# Altium PCB Layout.PcbDoc (part 2 of 4) (continued)
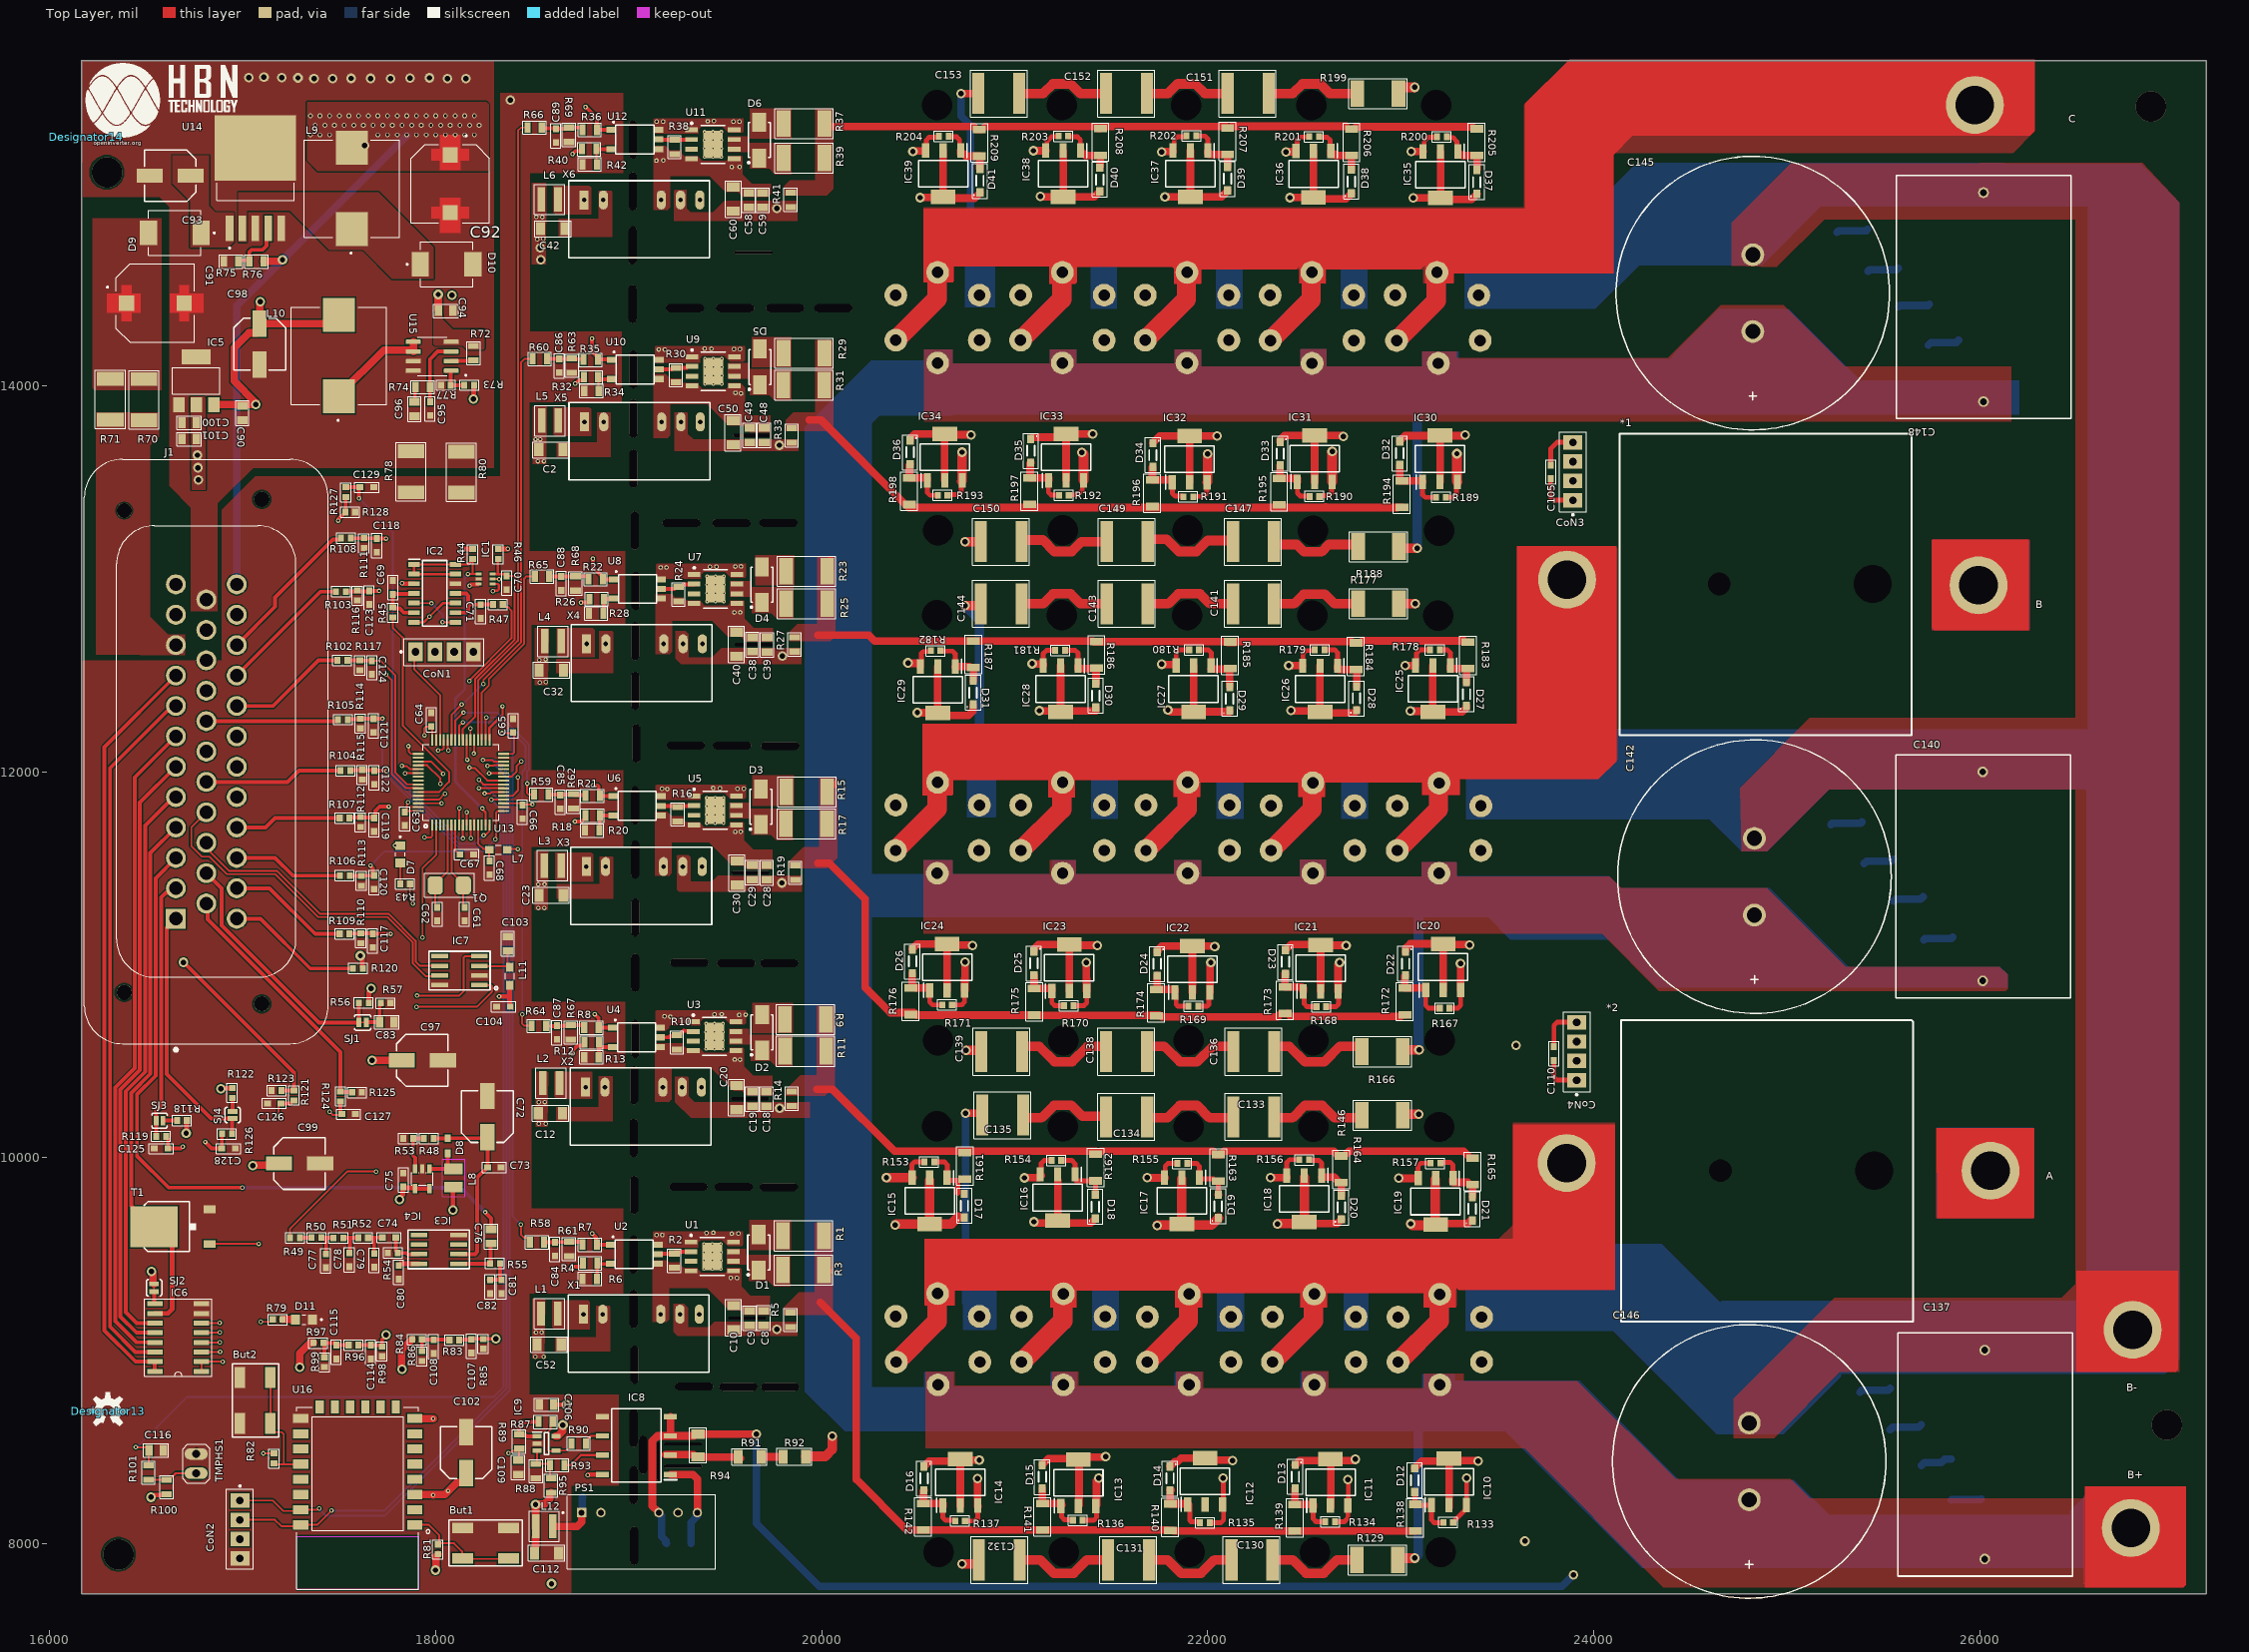
[diagram p0: Top Layer view]
## Nets (pads, with @x,y where several pads share a name; then routed paths per layer and width w, separated by ;. In a path a pad name is that pad's centre, name@x,y a point inside that pad or via, vN(x,y) a via of type N, cw(c..) or ccw(c..) an arc to the next point about the centre after c; other vN are vias at no path point) (continued)
  Mid 1 w100: Q6.3@20385.87,8941.93 20596.69,9152.76 20596.69,9293.51 Q7.2@20600.16,9296.98 ; Q5.3@21035.22,8941.93 21248.29,9155 21248.29,9292.21 Q8.2@21251.76,9295.68 ; Q4.3@21686.68,8941.93 21899.75,9155 21899.75,9290.91 Q9.2@21903.21,9294.38 ; Q3.3@22334.73,8941.93 22547.8,9155 22547.8,9290.91 Q10.2@22551.26,9294.38 ; Q2.3@22985.57,8941.93 23198.64,9155 23198.64,9289.62 Q11.2@23202.11,9293.08
  Mid 2 w50: v1(23093.14,10225.79) 22903.53,10036.18 22903.53,9591.66 Q11.2@23202.11,9293.08
  Mid 2 w100: Q6.3@20385.87,8941.93 20596.69,9152.76 20596.69,9293.51 Q7.2@20600.16,9296.98 ; Q5.3@21035.22,8941.93 21248.29,9155 21248.29,9292.21 Q8.2@21251.76,9295.68 ; Q4.3@21686.68,8941.93 21899.75,9155 21899.75,9290.91 Q9.2@21903.21,9294.38 ; Q3.3@22334.73,8941.93 22547.8,9155 22547.8,9290.91 Q10.2@22551.26,9294.38 ; Q2.3@22985.57,8941.93 23198.64,9155 23198.64,9289.62 Q11.2@23202.11,9293.08
  Bottom Layer w100: Q6.3@20385.87,8941.93 20596.69,9152.76 20596.69,9293.51 Q7.2@20600.16,9296.98 ; Q5.3@21035.22,8941.93 21248.29,9155 21248.29,9292.21 Q8.2@21251.76,9295.68 ; Q4.3@21686.68,8941.93 21899.75,9155 21899.75,9290.91 Q9.2@21903.21,9294.38 ; Q3.3@22334.73,8941.93 22547.8,9155 22547.8,9290.91 Q10.2@22551.26,9294.38 ; Q2.3@22985.57,8941.93 23198.64,9155 23198.64,9289.62 Q11.2@23202.11,9293.08
B: C21.1 C24.2 C28.1 C29.1 C30.2 C139.1 IC20.3 IC21.3 IC22.3 IC23.3 IC24.3 pad.7@23861.02,12996.06 pad.7@25993.11,12966.54 Q12.3 Q13.3 Q14.3 Q15.3 Q16.3 Q17.2 Q18.2 Q19.2 Q20.2 Q21.2 R19.1 R167.2 R168.2 R169.2 R170.2 R171.2 R177.2 X3.6 | length 19559.8
  Top Layer w25: R171.2@20675.13,10792.42 20725.27,10792.42 20739.92,10807.06 IC24.3@20739.92,10867.73 ; R170.2@21305.33,10788.94 21358.33,10788.94 21372.98,10803.59 IC23.3@21372.98,10864.6 ; R169.2@21951.08,10786 21996.23,10786 22004.68,10794.44 22004.68,10851.79 IC22.3@22010.88,10857.99 ; R168.2@22613.66,10782.52 22662.96,10782.52 22677.6,10797.17 22677.6,10860.82 IC21.3@22675.32,10863.1 ; R167.2@23252.39,10774.8 23295.2,10774.81 23309.84,10789.45 IC20.3@23309.84,10868.77 IC20.3@23309.49,10869.13
  Top Layer w39.37: IC24.3@20739.92,10867.73 20740.9,10868.71 20740.9,10930.38 20741.61,10931.08 v1(20741.61,11015.14) ; v1(21370.84,11012.49) 21370.84,10928.44 21371.99,10927.28 21371.99,10865.58 IC23.3@21372.98,10864.6 ; IC22.3@22010.88,10857.99 22010.88,11003.94 22015.85,11008.91 v1(22015.85,11011.79) ; IC21.3@22675.32,10863.1 22675.32,11000.94 22682.85,11008.47 v1(22682.85,11011.34) ; v1(23309.13,11007.39) 23309.49,11007.03 IC20.3@23309.49,10869.13
  Top Layer w50: v1(20746.51,10556.34) 20820.13,10556.34 C139.1@20826.04,10550.43 ; R177.2@22990.93,12870.91 v1(23074.8,12870.91)
  Top Layer w100: Q16.3@20381.85,11592.85 20596.69,11807.69 20596.69,11942.32 Q21.2@20600.16,11945.79 Q21.2@20603.62,11949.25 ; Q15.3@21031.21,11592.85 21244.28,11805.92 21244.28,11942.32 Q20.2@21247.74,11945.79 ; Q14.3@21679.75,11592.85 21892.82,11805.92 21892.82,11942.32 Q19.2@21896.28,11945.79 ; Q13.3@22327.8,11592.85 22540.87,11805.92 22540.87,11939.71 Q18.2@22544.33,11943.17 ; Q12.3@22981.56,11592.85 23194.63,11805.92 23194.63,11938.41 Q17.2@23198.1,11941.87
  Mid 1 w39.37: v1@20722.17,11017.17 20739.57,11017.17 v1(20741.61,11015.14) v1@20742.93,11013.82 ; v1@21366.31,11014.91 v1@21367.37,11015.96 ; v1@21369.52,11013.82 v1(21370.84,11012.49) ; v1@22013.82,11013.82 v1(22015.85,11011.79) ; v1@23302.3,11011.34 23306.25,11007.39 v1(23309.13,11007.39)
  Mid 1 w50: Q16.3@20381.85,11592.85 20381.85,11582.64 20266.73,11467.52 20266.73,11236.22 20746.51,10756.44 v1(20746.51,10556.34)
  Mid 1 w90: v1(19793.79,11424.45) 19962.7,11593.35 Q16.3@20381.35,11593.35 ; Q16.3@20381.85,11582.64 20381.85,11357.5 v1@20722.17,11017.17 ; v1@20742.93,11013.82 v1@21369.52,11013.82 ; Q15.3@21031.21,11592.85 21031.21,11350.01 v1@21366.31,11014.91 ; v1@21372.17,11013.82 21962.18,11013.82 ; Q14.3@21679.75,11592.85 21679.75,11296.25 21962.18,11013.82 ; v1@22013.82,11013.82 21962.18,11013.82 ; v1(22015.85,11011.79) 22649.43,11011.79 ; Q13.3@22327.8,11592.85 22327.8,11342.62 22658.05,11012.36 22681.83,11012.36 v1(22682.85,11011.34) v1@23302.3,11011.34 ; Q12.3@22981.56,11592.85 22981.56,11334.96 v1@23307.1,11009.42
  Mid 1 w100: Q16.3@20381.85,11592.85 20596.69,11807.69 20596.69,11942.32 Q21.2@20600.16,11945.79 ; Q15.3@21031.21,11592.85 21244.28,11805.92 21244.28,11942.32 Q20.2@21247.74,11945.79 ; Q14.3@21679.75,11592.85 21892.82,11805.92 21892.82,11942.32 Q19.2@21896.28,11945.79 ; Q13.3@22327.8,11592.85 22540.87,11805.92 22540.87,11939.71 Q18.2@22544.33,11943.17 ; Q12.3@22981.56,11592.85 23194.63,11805.92 23194.63,11938.41 Q17.2@23198.1,11941.87
  Mid 2 w50: v1(23074.8,12870.91) 22967.55,12763.66 22967.55,12172.42 Q17.2@23198.1,11941.87
  Mid 2 w100: Q16.3@20381.85,11592.85 20596.69,11807.69 20596.69,11942.32 Q21.2@20600.16,11945.79 ; Q15.3@21031.21,11592.85 21244.28,11805.92 21244.28,11942.32 Q20.2@21247.74,11945.79 ; Q14.3@21679.75,11592.85 21892.82,11805.92 21892.82,11942.32 Q19.2@21896.28,11945.79 ; Q13.3@22327.8,11592.85 22540.87,11805.92 22540.87,11939.71 Q18.2@22544.33,11943.17 ; Q12.3@22981.56,11592.85 23194.63,11805.92 23194.63,11938.41 Q17.2@23198.1,11941.87
  Bottom Layer w100: Q16.3@20381.85,11592.85 20596.69,11807.69 20596.69,11942.32 Q21.2@20600.16,11945.79 ; Q15.3@21031.21,11592.85 21244.28,11805.92 21244.28,11942.32 Q20.2@21247.74,11945.79 ; Q14.3@21679.75,11592.85 21892.82,11805.92 21892.82,11942.32 Q19.2@21896.28,11945.79 ; Q13.3@22327.8,11592.85 22540.87,11805.92 22540.87,11939.71 Q18.2@22544.33,11943.17 ; Q12.3@22981.56,11592.85 23194.63,11805.92 23194.63,11938.41 Q17.2@23198.1,11941.87
C: C41.1 C44.2 C48.1 C49.1 C50.2 C150.1 IC30.3 IC31.3 IC32.3 IC33.3 IC34.3 pad.7@25974.41,15455.71 Q22.3 Q23.3 Q24.3 Q25.3 Q26.3 Q27.2 Q28.2 Q29.2 Q30.2 Q31.2 R33.1 R189.2 R190.2 R191.2 R192.2 R193.2 R199.2 X5.6 | length 19885.1
  Top Layer w25: R193.2@20651.44,13432.35 20651.44,13433.12 20654.69,13436.37 20708.66,13436.37 20723.31,13451.01 IC34.3@20723.31,13505.62 ; R192.2@21280.2,13432.88 21282.34,13435.02 21326.02,13435.02 21350.04,13459.04 21350.04,13503.48 IC33.3@21356.24,13509.68 ; R191.2@21924.21,13424.74 21927.08,13427.61 21980.66,13427.61 21995.31,13442.26 21995.31,13499.72 IC32.3@21996.14,13500.56 ; R190.2@22578.29,13427.06 22578.29,13427.87 22581.54,13431.11 22627.46,13431.11 22642.1,13445.76 22642.1,13500.39 IC31.3@22644.35,13502.64 ; R189.2@23233.95,13421.93 23272.86,13421.93 23287.5,13436.57 23287.5,13495.39 IC30.3@23293.7,13501.59
  Top Layer w50: IC34.3@20723.31,13505.62 20725.93,13508.25 v1(20725.93,13656.38) ; v1(20742.8,13192.84) C150.1@20823.7,13192.84 ; v1(21348.08,13654.76) 21356.24,13646.6 IC33.3@21356.24,13509.68 ; IC32.3@21996.14,13500.56 21998.16,13502.58 v1(21998.16,13646.71) ; IC31.3@22644.35,13502.64 v1(22644.35,13660.99) ; R199.2@22988.07,15514.76 22988.07,15536.6 22998.5,15547.03 v1(23072.08,15547.03) ; v1(23290.55,13648.62) 23290.55,13504.75 IC30.3@23293.7,13501.59
  Top Layer w100: Q26.3@20387.07,14240.18 20596.67,14449.79 20596.67,14584.65 Q31.2@20600.14,14588.11 ; Q25.3@21030.69,14236.72 21243.27,14449.3 21243.27,14584.65 Q30.2@21246.74,14588.11 ; Q24.3@21680.07,14240.18 21888.8,14448.91 21888.8,14584.65 Q29.2@21892.27,14588.11 ; Q23.3@22327.25,14238.22 22535.89,14446.86 22535.89,14584.65 Q28.2@22539.36,14588.11 ; Q22.3@22981.48,14238.22 23183.67,14440.4 23183.67,14584.65 Q27.2@23187.13,14588.11
  Mid 1 w50: Q26.3@20373.98,14246.34 Q26.3@20383.6,14236.72 20383.6,14235.97 20224.41,14076.77 20224.41,13898.62 20742.8,13380.23 v1(20742.8,13192.84) ; v1(20725.93,13656.38) v1@20727.56,13654.76 ; v1@21990.12,13654.76 v1(21998.16,13646.71) v1@22003.67,13652.23 ; v1@22635.59,13652.23 v1(22644.35,13660.99) v1@22651.22,13654.13 ; v1@23285.03,13654.13 v1(23290.55,13648.62)
  Mid 1 w90: v1(19780.43,13692.56) 19780.43,13844.22 20182.55,14246.34 Q26.3@20373.98,14246.34 ; Q26.3@20383.6,14235.97 20383.6,13998.71 v1(20725.93,13656.38) ; v1@20727.56,13654.76 v1(21348.08,13654.76) ; Q25.3@21030,14236.72 21030,13972.84 v1(21348.08,13654.76) ; Q24.3@21675.73,14236.72 21675.73,13969.14 21990.12,13654.76 v1(21348.08,13654.76) ; v1@22003.67,13652.23 v1@22635.59,13652.23 ; Q23.3@22323.79,14234.76 22323.79,13981.56 v1(22644.35,13660.99) ; v1@22651.22,13654.13 23285.03,13654.13 22978.02,13961.15 Q22.3@22978.02,14234.76
  Mid 1 w100: Q26.3@20383.6,14236.72 20596.67,14449.79 20596.67,14584.65 Q31.2@20600.14,14588.11 ; Q25.3@21030,14236.72 21243.27,14449.99 21243.27,14584.65 Q30.2@21246.74,14588.11 ; Q24.3@21675.73,14236.72 21888.8,14449.79 21888.8,14584.65 Q29.2@21892.27,14588.11 ; Q23.3@22323.79,14234.76 22535.89,14446.86 22535.89,14584.65 Q28.2@22539.36,14588.11 ; Q22.3@22978.02,14234.76 23183.67,14440.4 23183.67,14584.65 Q27.2@23187.13,14588.11
  Mid 2 w50: v1(23072.08,15547.03) 22980.23,15455.18 22980.23,14842.36 23174.1,14648.5 23174.1,14601.14 Q27.2@23187.13,14588.11
  Mid 2 w100: Q26.3@20383.6,14236.72 20596.67,14449.79 20596.67,14584.65 Q31.2@20600.14,14588.11 ; Q25.3@21030,14236.72 21243.27,14449.99 21243.27,14584.65 Q30.2@21246.74,14588.11 ; Q24.3@21675.73,14236.72 21888.8,14449.79 21888.8,14584.65 Q29.2@21892.27,14588.11 ; Q23.3@22323.79,14234.76 22535.89,14446.86 22535.89,14584.65 Q28.2@22539.36,14588.11 ; Q22.3@22978.02,14234.76 23183.67,14440.4 23183.67,14584.65 Q27.2@23187.13,14588.11
  Bottom Layer w100: Q26.3@20383.6,14236.72 20596.67,14449.79 20596.67,14584.65 Q31.2@20600.14,14588.11 ; Q25.3@21030,14236.72 21243.27,14449.99 21243.27,14584.65 Q30.2@21246.74,14588.11 ; Q24.3@21675.73,14236.72 21888.8,14449.79 21888.8,14584.65 Q29.2@21892.27,14588.11 ; Q23.3@22323.79,14234.76 22535.89,14446.86 22535.89,14584.65 Q28.2@22539.36,14588.11 ; Q22.3@22978.02,14234.76 23183.67,14440.4 23183.67,14584.65 Q27.2@23187.13,14588.11
CANH: IC7.7 J1.16 | length 1839.7
  Top Layer w10: J1.16@16811.02,11790.35 16733.82,11713.15 16733.82,11614.22 16787.68,11560.36 16827.11,11560.36 16917.54,11469.93 17168.85,11469.93 17391.43,11247.35 17750.26,11247.35 17880.11,11117.49 17880.11,11008.8 17948.42,10940.5 18016.4,10940.5 IC7.7@18020.86,10944.96
CANL: IC7.6 J1.15 | length 1553
  Top Layer w10: J1.15@16811.02,11632.87 16811.02,11607.61 16834.21,11584.43 16834.21,11581.77 16930.06,11485.92 17177.73,11485.92 17400.32,11263.33 17756.88,11263.33 17896.1,11124.11 17896.1,11017.23 17918.37,10994.96 IC7.6@18020.86,10994.96
ENC_A/S2: J1.1 R126.1 SJ4.1 | length 1341
  Top Layer w20: J1.1@16653.54,11239.17 16606.62,11192.25 16606.62,10433.28 16835.89,10204.01 SJ4.1@16947.07,10204.01 16945.49,10202.42 16945.49,10126.67 R126.1@16943.9,10125.08
ENC_B/S3: J1.2 R119.1 SJ3.1 | length 1346.1
  Top Layer w20: SJ3.1@16548.05,10193.17 16551.12,10190.1 R119.1@16551.12,10111.76 ; SJ3.1@16551.12,10192.95 16551.12,10242.19 16576.67,10267.74 16576.67,11349.29 16601.03,11373.66 16608,11373.66 16630.99,11396.65 J1.2@16653.54,11396.65
ENC_Z/R1: C76.2 J1.3 | length 3665.1
  Top Layer w20: J1.3@16653.54,11554.13 16548.07,11448.66 16548.07,10425.41 16451.68,10329.03 16451.68,10009.93 16615.88,9845.73 v2(16998.03,9845.73) ; v2(18256.23,9718.2) 18286.85,9687.57 18286.85,9638 18278.98,9630.13 C76.2@18286.85,9630.13
  Bottom Layer w20: v2(16998.03,9845.73) 18128.69,9845.73 v2(18256.23,9718.2)
GND: But1.2 But2.1 C2.1 C3.1 C12.1 C13.1 C22.1 C23.1 C32.1 C33.1 C42.1 C43.1 C52.1 C53.1 C61.1 C62.1 C63.1 C64.1 C65.1 C66.1 C67.1 C68.1 C69.1 C70.1 C71.1 C72.2 C73.1 C75.1 C77.1 C78.1 C79.1 C80.1 C81.1 C82.1 C83.1 C84.1 C85.1 C86.1 C87.1 C88.1 C89.1 C90.1 C91.2 C92.2 C93.2 C94.1 C95.1 C96.1 C97.2 C98.2 C99.2 C100.1 C101.1 C102.2 C103.2 C104.1 C105.1 C106.1 C107.1 C108.1 C109.1 C110.1 C112.1 C113.1 C114.1 C115.1 C116.1 C117.1 C118.1 C119.1 C120.1 C121.1 C122.1 C123.1 C124.1 C125.1 C126.1 C127.1 C128.1 C129.1 CoN1.4 CoN2.4 CoN3.4 CoN4.4 D10.A D11.C IC1.2 IC2.12 IC3.4 IC4.2 IC5.1 IC5.4 IC6.7 IC6.8 IC7.2 IC7.8 IC8.5 IC9.2 J1.23 PS1.2 R6.1 R13.1 R20.1 R28.1 R34.1 R42.1 R53.2 R54.1 R57.1 R61.1 R62.1 R63.1 R67.1 R68.1 R69.1 R75.1 R77.1 R78.1 R78.2 R80.1 R80.2 R85.1 R86.1 R88.2 R98.1 R99.1 R110.1 R111.1 R112.1 R113.1 R114.1 R115.1 R116.1 R117.1 R123.1 R125.1 R128.1 T1.3 TMPHS1.2 U13.12 U13.18 U13.31 U13.47 U13.60 U13.63 U14.3 U14.5 U14.6 U15.7 U15.8 U16.15 X1.2 X2.2 X3.2 X4.2 X5.2 X6.2 | length 11217.3
  Top Layer w12: TMPHS1.2@16761.02,8487.91 TMPHS1.2@16769.41,8479.52
  Top Layer w25: C105.1@23777.56,13586.29 23777.56,13674.88 23809.96,13707.28 CoN3.4@23891.73,13707.28 ; C110.1@23793.31,10575.79 23793.31,10686.61 23809.06,10702.36 CoN4.4@23911.42,10702.36
  Mid 1 w39.37: v1(18386.26,15481.09) 18502.87,15597.7 23528.85,15597.7 23598.5,15528.05 23598.5,14000.52 23862.2,13736.81 23862.2,13725 23879.92,13707.28 CoN3.4@23891.73,13707.28 23977.99,13707.28 24001.05,13684.22 24001.05,13307.29 23961.73,13267.97 23738.44,13267.97 23650.14,13179.66 23650.14,10870.22 23812.05,10708.3 CoN4.4@23889.3,10708.3
  other v1: 17369.09,15592.47 17466.54,15591.92 17766.28,15591.87 17561.02,15593 17661.49,15592.86 18061.16,15592.62 18156.98,15592.62 17866.69,15593.84 17285.82,15595.68 17967.98,15595.93 17201.68,15596.74 17031.93,15597.6 17109.83,15598.89
H1: R1.2 R3.2 R5.2 R138.1 R139.1 R140.1 R141.1 R142.1 | length 4001.3
  Top Layer w39.37: 19992.44,9250.13 20177.5,9065.07 20177.5,8334.49 20440.56,8071.42 R142.1@20538.07,8071.42 ; R3.2@20025.39,9426.18 R3.2@20036.8,9414.77 ; R142.1@20526.28,8071.24 21129.63,8071.24 21129.85,8071.02 R141.1@21143.63,8071.02 21790.91,8071.02 21791.87,8070.07 R140.1@21805.65,8070.07 21819.43,8070.07 21823.66,8065.83 22129.8,8065.83 22130.93,8066.96 R139.1@22450.84,8066.96 ; R139.1@22480.37,8065.93 23060.56,8065.93 23062.01,8067.38 R138.1@23075.79,8067.38
H2: R15.2 R17.2 R19.2 R172.1 R173.1 R174.1 R175.1 R176.1 | length 3668.7
  Top Layer w39.37: 19978.7,11526.44 20038.91,11526.44 20224.16,11341.18 20224.16,10883.12 20354.87,10752.42 20477.12,10752.42 20489.91,10739.63 R175.1@21101.11,10739.63 ; R15.2@20028.45,11896.37 R15.2@20028.45,11922.36 ; R15.2@20047.16,11922.36 R15.2@20062.9,11938.11 ; R175.1@21127.55,10737.5 21706.17,10737.5 21708.11,10739.44 R174.1@21731.48,10739.44 ; R174.1@21744.39,10739.44 R174.1@21747.2,10739.44 ; R174.1@21746.94,10735 21758.47,10735 21762.47,10731 22363.3,10731 22377.61,10745.31 R173.1@22414.98,10745.31 ; R173.1@22413.93,10747.68 22429,10732.61 22998.6,10732.61 23007.5,10741.51 R172.1@23024.62,10741.51
H3: R29.2 R31.2 R33.2 R194.1 R195.1 R196.1 R197.1 R198.1 | length 3321.7
  Top Layer w39.37: 19935.46,13823.77 19996.05,13823.77 20440.62,13379.2 20450.26,13369.56 20672.16,13369.56 21082.7,13369.56 21314.27,13369.56 21713.14,13369.56 21968.04,13369.56 22275.59,13369.56 22374.74,13369.56 22610.29,13369.56 22980.73,13369.56 22981.14,13369.97 R194.1@23006.04,13369.97 ; R29.2@20014.48,14168.8 20014.48,14202.27 20030.23,14218.02 R29.2@20033.41,14218.02 ; 22610.29,13372.32 22613.05,13369.56
HV+: C137.1 C140.1 C142.2 C145.2 C146.2 C148.1 pad.7@26782.73,8082.17 Q2.2 Q3.2 Q4.2 Q5.2 Q6.2 Q12.2 Q13.2 Q14.2 Q15.2 Q16.2 Q22.2 Q23.2 Q24.2 Q25.2 Q26.2 R92.2 R129.2 R130.1 R131.1 R132.1 R166.2 R188.2 | length 3404.1
  Top Layer w50: R92.2@19918.65,8452.96 20018.65,8452.96 20053.91,8488.22 v1(20053.91,8558.51) ; R129.2@22985.24,7916.82 22994.6,7926.18 v1(23072.83,7926.18) ; R188.2@22990.93,13167.27 23000.38,13157.82 v1(23084.65,13157.82) ; R166.2@23010.02,10550.43 23018.93,10559.34 v1(23094.37,10559.34)
  Mid 2 w50: Q6.2@20589.37,8810.79 Q6.2@20602.4,8823.82
  Bottom Layer w50: v1(23072.83,7926.18) 23090.52,7943.87 23090.52,8712.23 Q2.2@23202.11,8823.82 ; v1(23084.65,13157.82) 23084.65,14006.74 Q22.2@23194.55,14116.65 ; 23093.5,10586.61 23091.84,10588.28 23091.84,11368.48 Q12.2@23198.1,11474.74
HV-: C11.1 C14.2 C18.1 C19.1 C20.2 C31.1 C34.2 C38.1 C39.1 C40.2 C51.1 C54.2 C58.1 C59.1 C60.2 C111.1 C135.1 C137.2 C140.2 C142.1 C144.1 C145.1 C146.1 C148.2 C153.2 IC8.3 IC8.4 IC15.3 IC16.3 IC17.3 IC18.3 IC19.3 IC25.3 IC26.3 IC27.3 IC28.3 IC29.3 IC35.3 IC36.3 IC37.3 IC38.3 IC39.3 pad.7@26791.82,9109.22 PS1.5 Q7.3 Q8.3 Q9.3 Q10.3 Q11.3 Q17.3 Q18.3 Q19.3 Q20.3 Q21.3 Q27.3 Q28.3 Q29.3 Q30.3 Q31.3 R14.1 R27.1 R41.1 R94.1 R153.2 R154.2 R155.2 R156.2 R157.2 R158.2 R159.2 R160.2 R178.2 R179.2 R180.2 R181.2 R182.2 R200.2 R201.2 R202.2 R203.2 R204.2 X2.6 X4.6 X6.6 | length 37333.1
  Top Layer w25: IC15.3@20466.89,9897.64 20466.89,9964.68 20481.54,9979.33 R153.2@20531.5,9979.33 ; IC29.3@20510.18,12546.17 20515.27,12551.26 20515.27,12613.49 20524.7,12622.92 20560.82,12622.92 20564.07,12626.17 R182.2@20564.07,12628.13 ; IC39.3@20538.39,15218.5 20541.91,15222.03 20541.91,15274.11 20556.56,15288.76 20602.86,15288.76 20607.08,15292.97 R204.2@20607.08,15296.56 ; IC16.3@21137.07,9908.76 21137.07,9971.45 21152.83,9987.2 R154.2@21189.92,9987.2 ; IC28.3@21147.01,12557.18 21147.01,12612.19 21163.89,12629.07 R181.2@21209.89,12629.07 ; IC38.3@21160.13,15218.5 21166.33,15224.71 21166.33,15266.81 21191.6,15292.08 21222.77,15292.08 21226.5,15295.8 R203.2@21226.5,15298.91 ; IC17.3@21779.06,9896.48 21779.06,9957.27 21793.71,9971.91 R155.2@21842.01,9971.91 ; IC37.3@21819.04,15218.51 21825.24,15224.71 21825.24,15275.97 21839.88,15290.62 21872.17,15290.62 21872.29,15290.74 21886.81,15290.74 21890.06,15293.99 R202.2@21890.06,15295.96 ; IC27.3@21835.66,12554.5 21835.66,12616.99 21850.31,12631.63 R180.2@21903.39,12631.63 ; IC18.3@22409.45,9899.35 22409.45,9975.69 22424.1,9990.33 R156.2@22474.41,9990.33 ; IC36.3@22457.01,15217.81 22463.21,15224.01 22463.21,15274.93 22477.85,15289.58 22522.89,15289.58 R201.2@22524.93,15291.61 ; IC26.3@22490.92,12549.57 22492.67,12551.32 22492.67,12613.86 22507.31,12628.5 22550.97,12628.5 22554.22,12631.75 R179.2@22554.22,12632.51 ; IC25.3@23075.64,12551.04 23081.84,12557.24 23081.84,12615.06 23099.42,12632.63 R178.2@23151.27,12632.63 ; IC19.3@23088.15,9892.57 23088.15,9957.96 23102.79,9972.61 R157.2@23153.24,9972.61 ; IC35.3@23115.16,15214.57 23121.36,15220.77 23121.36,15269 23140.77,15288.41 23184.52,15288.41 R200.2@23186.73,15290.61
  Top Layer w39.37: PS1.5@19153.41,8161.24 19153.41,8164.38 19121.91,8195.88 19121.91,8532.91 19148.34,8559.34 IC8.3@19215.55,8559.34 ; IC8.4@19215.55,8659.34 IC8.3@19215.55,8559.34 ; v1(19661.17,8569.25) 19660.74,8568.83 19347.78,8568.83 19338.29,8559.34 IC8.3@19215.55,8559.34 ; v1(20446.32,12564.76) 20448.36,12562.72 20509.2,12562.72 20510.18,12561.74 IC29.3@20510.18,12546.17 ; v1(20471.92,15215.19) 20473.58,15216.85 20537.4,15216.85 20537.4,15217.52 IC39.3@20538.39,15218.5 ; v1(20721.42,15514.76) C153.2@20810.37,15514.76 ; v1(20744.57,10231.57) 20820.87,10231.57 C135.1@20831.18,10221.26 ; v1(21049.32,9896.48) 21051.36,9898.51 21126.82,9898.51 IC16.3@21137.07,9908.76 ; v1(21089.89,12560.2) 21091.93,12558.17 21146.02,12558.17 21147.01,12557.18 IC28.3@21147.01,12549.62 ; v1(21096.21,15218.15) 21096.38,15218.33 21159.95,15218.33 IC38.3@21160.13,15218.5 ; v1(21685.74,9898.2) 21687.46,9896.48 IC17.3@21779.06,9896.48 ; v1(21760.84,12557.51) 21762.87,12555.48 21834.68,12555.48 21835.66,12554.5 IC27.3@21835.66,12549.62 ; v1(21761.09,15212.16) 21763.12,15214.19 21818.05,15214.19 21819.04,15215.18 IC37.3@21819.04,15218.51 ; v1(22324.24,9897.46) 22408.47,9897.46 22409.45,9898.44 IC18.3@22409.45,9899.35 ; v1(22404.85,15210.96) 22406.89,15212.99 22456.02,15212.99 22457.01,15213.97 IC36.3@22457.01,15217.81 ; v1(22419.08,12550.55) 22419.57,12550.06 22490.43,12550.06 IC26.3@22490.92,12549.57 ; v1(22989.12,9895.59) 22991.15,9893.56 23087.17,9893.56 23088.15,9892.57 IC19.3@23088.15,9890.57 ; v1(23023.53,12550.68) 23023.71,12550.86 23075.46,12550.86 IC25.3@23075.64,12551.04 ; v1(23053.74,15213.61) 23054.22,15214.09 23114.68,15214.09 IC35.3@23115.16,15214.57
  Top Layer w50: v1(20334.65,9897.64) IC15.3@20466.89,9897.64 ; v1(20742.8,12860.51) 20798.6,12860.51 ccw(c20798.6,12896) C144.1@20823.7,12870.91
  Mid 1 w39.37: v1(20446.32,12564.76) 20449.2,12564.76 v1@20453.75,12560.2 ; v1(20471.92,15215.19) 20473.96,15217.22 20481.47,15217.22 v1@20483.48,15219.23 ; 20643.13,15043.98 20647.5,15043.98 ; v1@21049.18,9896.62 v1(21049.32,9896.48) v1@21049.46,9896.62 ; v1(21089.89,12560.2) v1@21091.24,12558.86 ; v1@21752.22,15218.15 21758.21,15212.16 v1(21761.09,15212.16) 21763.12,15210.12 v1@21772.06,15210.12 ; v1@21759.49,12558.86 v1(21760.84,12557.51) 21763.71,12557.51 v1@21770.68,12550.55 ; v1@21763.9,15214.19 21763.9,15213.65 v1@21766,15211.56 ; v1(22404.85,15210.96) 22404.25,15211.56 v1@22404.98,15212.28 ; v1(22419.08,12550.55) v1@22419.2,12550.68 ; v1@22988.1,9896.62 v1(22989.12,9895.59) ; v1@23052.41,15212.28 v1(23053.74,15213.61) ; Q11.3@23418.64,9174.97 Q11.3@23422.78,9179.1 ; v1(23894.19,7839.06) 23894.19,7963.58 24556.26,8625.65 C146.1@24805.11,8625.65
  Mid 1 w80: 20016.58,12599.93 20051.75,12564.76
  Mid 1 w90: v1(19767.99,14919.05) 20175.78,14919.05 v1(20471.92,15215.19) 20643.13,15043.98 ; v1(19781.39,10256.66) 19975.63,10256.66 20335.67,9896.62 20546.16,9896.62 ; v1(19795.5,12599.93) 20016.58,12599.93 ; 20051.75,12564.76 v1@20443.45,12564.76 ; v1(20446.32,12564.76) 20816.69,12194.39 Q21.3@20816.69,11827.68 ; v1@20453.75,12560.2 v1(21089.89,12560.2) ; v1@20483.48,15219.23 v1@21095.12,15219.23 ; 20647.5,15043.98 20816.67,14874.81 Q31.3@20816.67,14470 ; Q7.3@20816.69,9178.87 20816.69,9626.08 20546.16,9896.62 ; v1@21049.18,9896.62 20546.16,9896.62 ; v1(21049.32,9896.48) 21468.29,9477.51 Q8.3@21468.29,9177.57 ; v1@21049.46,9896.62 v1@21685.74,9896.62 ; Q30.3@21463.27,14470 21463.27,14851.08 v1(21096.21,15218.15) v1@21752.22,15218.15 ; Q20.3@21464.28,11827.68 21464.28,12185.82 21091.24,12558.86 v1@21759.49,12558.86 ; v1(21760.84,12557.51) 22112.82,12205.53 Q19.3@22112.82,11827.68 ; v1@21766,15211.56 v1@22404.25,15211.56 ; v1@21770.68,12550.55 v1(22419.08,12550.55) 22760.87,12208.76 Q18.3@22760.87,11825.06 ; v1@21772.06,15210.12 22108.8,14873.38 Q29.3@22108.8,14470 ; Q9.3@22119.75,9176.27 22119.75,9462.61 v1@21685.74,9896.62 ; v1(22404.85,15210.96) 22755.89,14859.91 Q28.3@22755.89,14470 ; v1@22404.98,15212.28 v1@23052.41,15212.28 ; v1@22419.2,12550.68 v1(23023.53,12550.68) 23414.63,12159.58 Q17.3@23414.63,11823.76 ; Q10.3@22767.8,9176.27 22767.8,9453.05 v1@22324.24,9896.62 ; v1@22988.1,9896.62 v1@22324.24,9896.62 ; v1@22989.35,9895.59 23422.78,9462.16 Q11.3@23422.78,9179.1 ; v1(23053.74,15213.61) 23403.67,14863.68 Q27.3@23403.67,14472.76 ; v1@21685.74,9896.62 v1@22324.24,9896.62
  Bottom Layer w39.37: PS1.5@19155.32,8161.79 19155.32,8159.34 19169.29,8145.36 19169.29,8038.39 19191.93,8015.75 19191.93,8005.91 C111.1@19195.87,8001.97 ; v1(19661.17,8569.25) 19661.17,8104.58 19986.22,7779.53 23834.66,7779.53 v1(23894.19,7839.06) ; v1(20721.42,15514.76) 20721.42,15397.07 20769.73,15348.76 20769.73,14532.43 20816.67,14485.48 Q31.3@20816.67,14470 ; v1@20745.38,10217.94 20745.38,9250.18 Q7.3@20816.69,9178.87
  Bottom Layer w50: v1(20742.8,12860.51) 20816.69,12786.62 Q21.3@20816.69,11827.68
L1: R9.2 R11.2 R14.2 R161.1 R162.1 R163.1 R164.1 R165.1 | length 3574.1
  Top Layer w39.37: 19975.26,10355.86 20055.63,10355.86 20377.24,10034.26 20703.92,10034.26 21182.03,10034.26 ; 21182.03,10034.54 21181.04,10035.52 R162.1@21418.27,10035.52 ; R162.1@21418.27,10018.7 21432.05,10018.7 21447.06,10033.72 22026.21,10033.72 22041.79,10018.14 R163.1@22055.56,10018.14 ; R163.1@22069.34,10018.14 22084.92,10033.72 22653.86,10033.72 22677.6,10009.97 22705.16,10009.97 22729.85,10034.66 23325.66,10034.66 23358.42,10001.9 23358.42,9999.27 R165.1@23372.2,9999.27
L2: R23.2 R25.2 R27.2 R183.1 R184.1 R185.1 R186.1 R187.1 | length 3435.2
  Top Layer w39.37: 19980.22,12708.66 20243.75,12708.66 20274.85,12677.56 20764.21,12677.56 20772.1,12677.07 ccw(c20774.54,12716.36) 20783.04,12677.92 20783.04,12678.52 R187.1@20785.43,12678.52 ; R23.2@20027.78,13038.99 20043.53,13054.73 R23.2@20043.53,13096.63 ; R187.1@20799.21,12678.52 21407.15,12678.52 21413.44,12672.24 R186.1@21427.22,12672.24 ; R186.1@21429.17,12672.24 21452.53,12672.24 21455.3,12675.02 22096.97,12675.02 R185.1@22102.34,12669.65 ; R185.1@22116.12,12669.65 22141.43,12669.65 22147.66,12675.89 22747.05,12675.89 R184.1@22755.89,12667.05 ; R184.1@22755.89,12668.67 22792.55,12668.67 22802.53,12678.66 23328.83,12678.66 23334.67,12672.82 R183.1@23348.45,12672.82
L3: R37.2 R39.2 R41.2 R205.1 R206.1 R207.1 R208.1 R209.1 | length 3428.2
  Top Layer w39.37: R37.2@20014.54,15359.6 20014.54,15359.12 20030.29,15343.37 20787.21,15343.37 20802.89,15327.69 R209.1@20816.67,15327.69 20830.45,15327.69 20847.18,15344.42 21417.97,15344.42 21429.99,15332.41 R208.1@21443.76,15332.41 ; R208.1@21442.93,15337.6 21448.46,15343.12 22096.98,15343.12 R207.1@22102.5,15337.6 ; R207.1@22102.5,15336.62 22116.28,15336.62 22124.69,15345.03 22716.31,15345.03 22730.62,15330.71 22758.18,15330.71 22770.05,15342.58 23369.03,15342.58 23379.51,15332.1 R205.1@23393.29,15332.1
MTEMP+: J1.24 R120.1 | length 703.4
  Top Layer w20: J1.24@16968.5,11239.17 17091.44,11239.17 17349.31,10981.3 R120.1@17565.12,10981.3
MTEMP-: J1.13 R124.1 R125.2 | length 1324
  Top Layer w20: J1.13@16811.02,11317.91 16817.81,11311.13 16817.81,11236.24 17506.54,10547.51 R124.1@17506.54,10343.67 17508.56,10341.65 17564.56,10341.65 R125.2@17566.58,10339.64
NetBut1_1: But1.1 R81.2 U16.1 | length 605.1
  Top Layer w10: U16.1@17890.99,8098.06 17964.47,8098.06 18016.9,8045.62 18016.9,8002.95 18094.44,8002.95 18136.19,7961.2 18136.19,7927.07 18141.44,7921.82 18374.27,7921.82 But1.1@18376.95,7924.5
NetBut2_2: But2.2 R82.2 U16.18 | length 639.8
  Top Layer w10: But2.2@17142.99,8861.86 But2.2@17142.99,8623.67 17142.99,8601.45 17165.55,8578.89 17202.69,8578.89 17212.45,8569.12 17212.45,8411.48 ; R82.2@17163.27,8411.48 17212.45,8411.48 ; U16.18@17302.18,8411.48 17212.45,8411.48
NetC3_2: C3.2 L1.2 X1.1
NetC13_2: C13.2 L2.2 X2.1
NetC22_2: C22.2 L3.2 X3.1
NetC33_2: C33.2 L4.2 X4.1
NetC43_2: C43.2 L5.2 X5.1
NetC53_2: C53.2 L6.2 X6.1
NetC61_2: C61.2 Q1.1 U13.6 | length 461.7
  Top Layer w10: U13.6@18081.38,11723.94 18081.38,11481.38 18142.93,11419.83 Q1.1@18142.93,11411.96 18142.93,11305.31 C61.2@18149.8,11298.44 ; Q1.1@18144.26,11413.98 Q1.1@18149.8,11408.44
NetC62_2: C62.2 Q1.2 U13.5 | length 462.8
  Top Layer w10: Q1.2@18004.13,11408.44 Q1.2@18008.46,11412.77 ; C62.2@18008.35,11298.44 17997.6,11309.19 17997.6,11411.62 Q1.2@17997.26,11411.96 17997.26,11419.83 18061.38,11483.95 U13.5@18061.38,11723.94
NetC67_2: C67.2 U13.7 | length 162.7
  Top Layer w10: U13.7@18100.38,11723.94 18100.38,11595.17 18122.98,11572.57 C67.2@18124.95,11572.57
NetC68_2: C68.2 L7.2 U13.13 | length 231.5
  Top Layer w10: U13.13@18219.38,11723.94 18219.38,11627.94 18246.42,11600.9 18274.64,11600.9 L7.2@18281.92,11593.62 ; C68.2@18277.11,11533.53 18277.11,11585.79 L7.2@18281.72,11590.39
NetC69_2: C69.2 IC2.4 IC2.6 R45.2 | length 302.3
  Top Layer w20: IC2.6@17887.68,12824.85 17834.53,12824.85 17813.4,12845.98 17783.03,12845.98 R45.2@17777.29,12851.73 C69.2@17777.29,12920.13 17779.65,12922.49 17885.32,12922.49 IC2.4@17887.68,12924.85
NetC71_2: C71.2 IC2.9 IC2.11 R47.2 | length 350.8
  Top Layer w20: IC2.9@18101.22,12824.85 18101.4,12825.03 18156.89,12825.03 18168.6,12836.74 18168.6,12866.39 C71.2@18233.15,12866.39 18233.89,12867.13 18295.75,12867.13 R47.2@18296.49,12867.87 ; IC2.11@18101.22,12924.85 18156.89,12924.85 18168.6,12913.14 18168.6,12869.61
  Top Layer w25: R47.2@18293.24,12871.11 R47.2@18296.49,12867.87
NetC72_1: C72.1 C73.2 D8.C IC3.2 R48.2 | length 999.5
  Top Layer w20: R48.2@17989.52,10100.62 17990.04,10101.14 18060.83,10101.14 D8.C@18061.35,10101.66 18261.75,10101.66 C72.1@18267.53,10107.44 18267.91,10107.06 C73.2@18267.91,9951.05 18215.27,9898.42 18215.27,9512.71 18203.55,9500.99 IC3.2@18118.12,9500.99
NetC74_1: C74.1 IC3.7 R54.2 | length 198.2
  Top Layer w20: C74.1@17793.32,9587.4 17793.32,9519.21 17803.47,9509.06 R54.2@17803.47,9507.09 17846.92,9507.09 17854.44,9499.57 17911.98,9499.57 IC3.7@17913.4,9500.99
NetC74_2: C74.2 C79.2 R52.2 | length 155.7
  Top Layer w20: R52.2@17649.26,9586.5 17680.64,9586.5 C79.2@17680.64,9504.22 ; 17680.64,9586.95 17722.01,9586.95 C74.2@17722.46,9587.4